# KiCad board panel.kicad_pcb (continued)
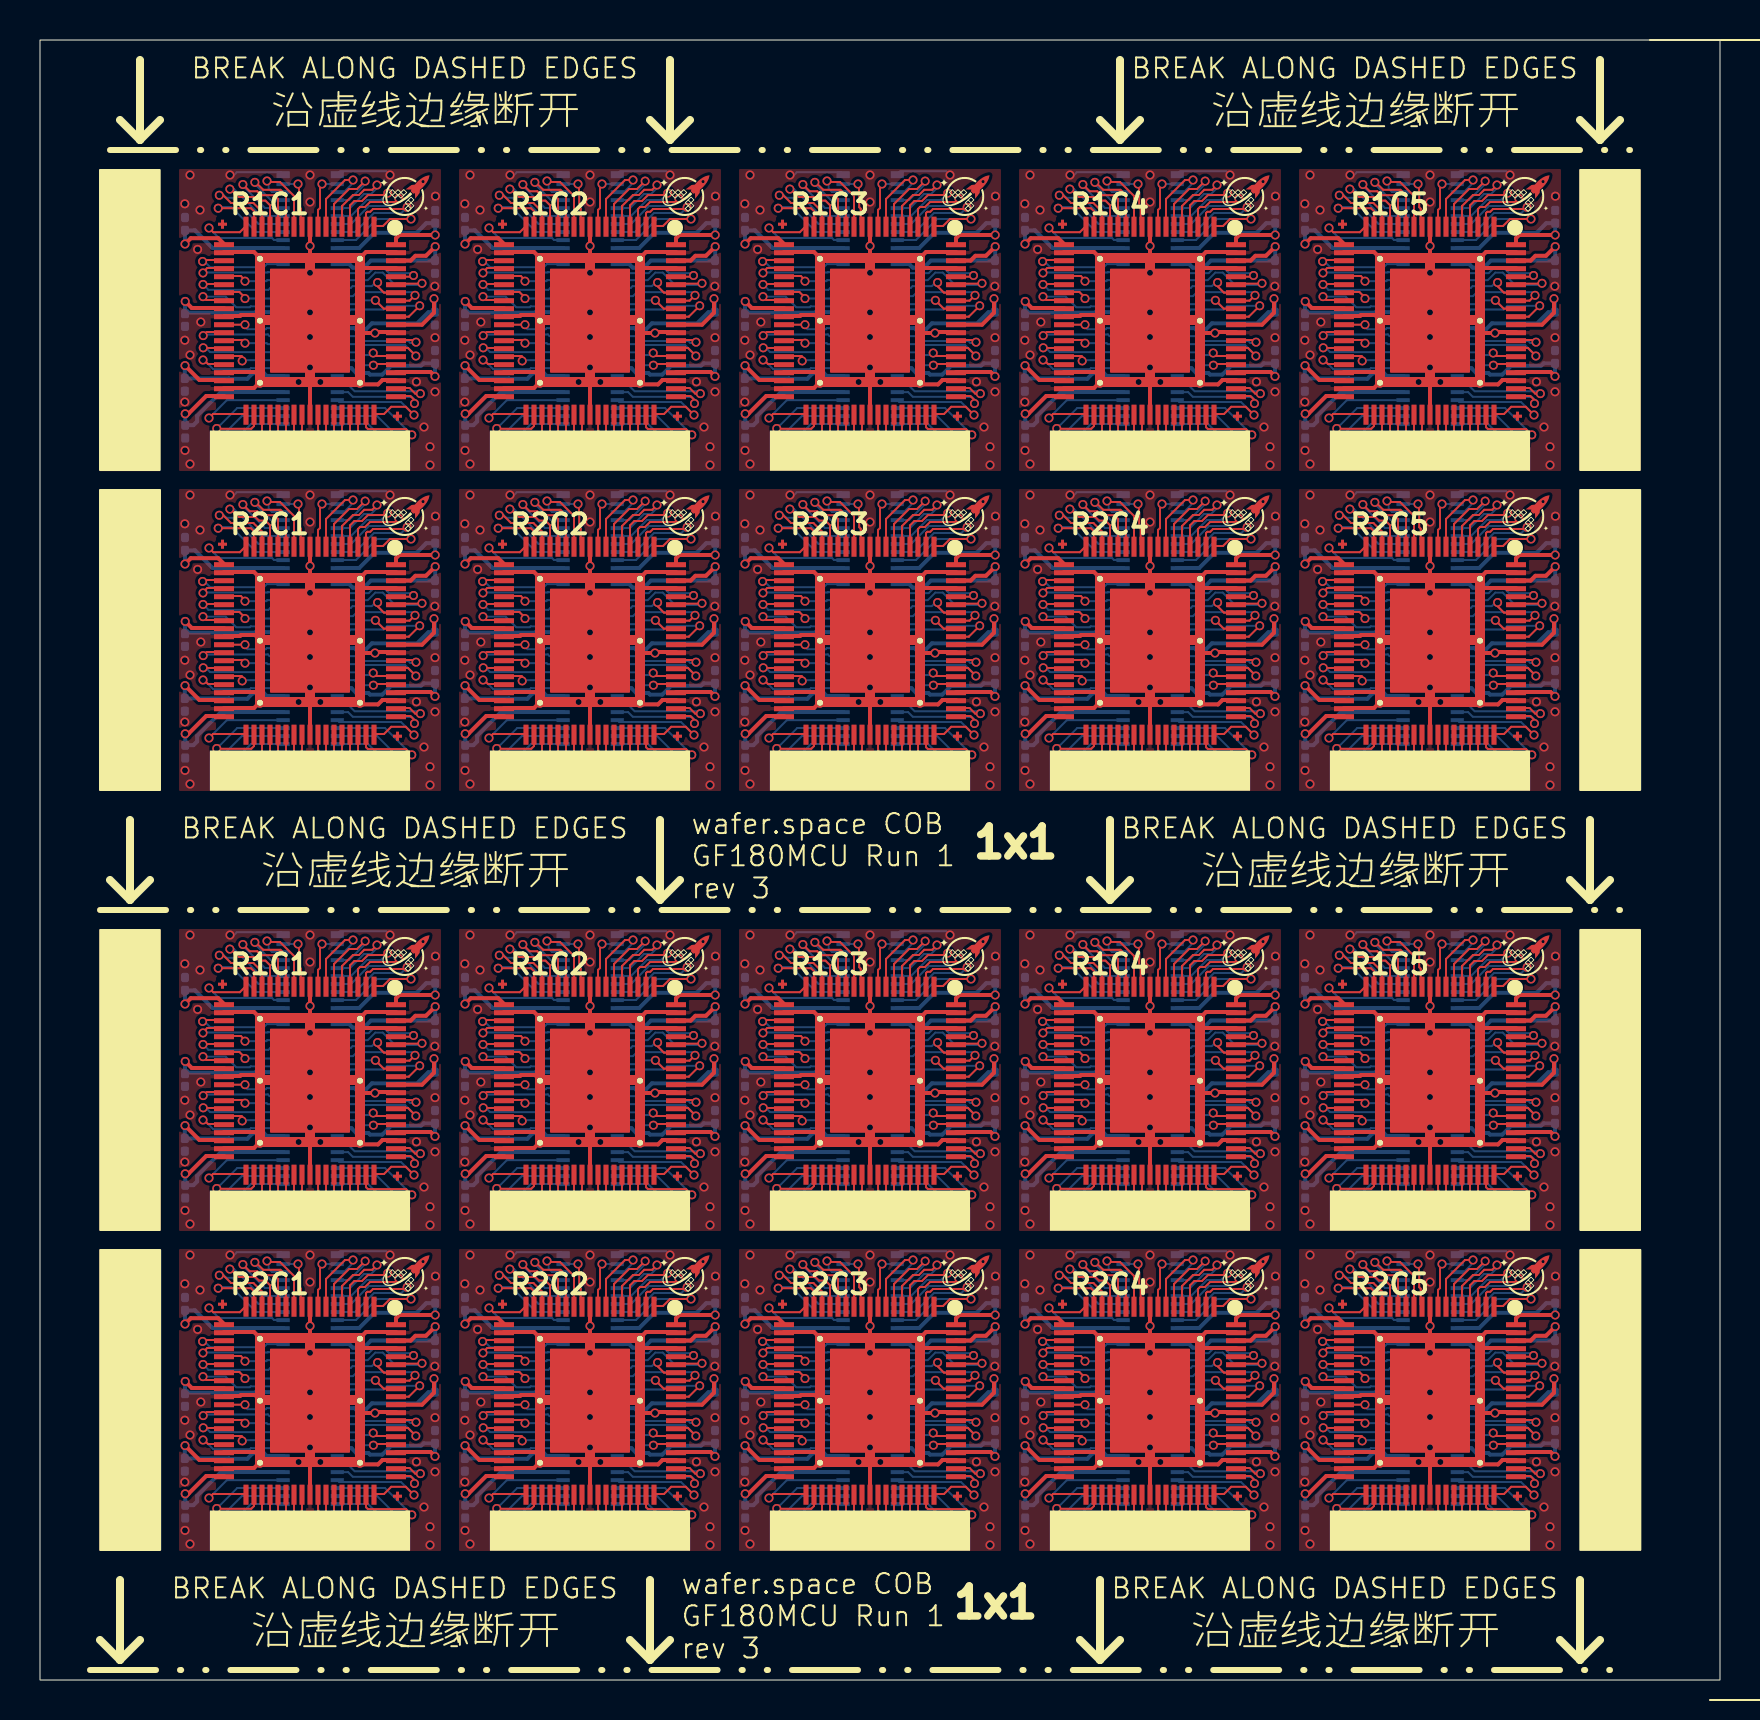
[diagram p0: board, top side]
## Routing (per net, layer and track width the routed paths; a pad name or vN(x,y) marks a point on that pad's centre or on a via; arc(x,y) is an arc through that point) (continued)
  Bottom w0.1: 70.86,35.2 71.55,35.2 72.35,36 73.05,36 v1(73.39,36.34) ; v1(59.39,58.34) 59.05,58 58.35,58 57.55,57.2 56.85,57.2 ; 28.85,57.2 29.55,57.2 30.35,58 31.05,58 v1(31.39,58.34) ; 14.85,57.2 15.55,57.2 16.35,58 17.05,58 v1(17.39,58.34) ; v1(45.39,20.34) 45.05,20 44.35,20 43.55,19.2 42.85,19.2 ; v1(31.39,36.34) 31.05,36 30.35,36 29.55,35.2 28.85,35.2 ; v1(17.39,36.34) 17.05,36 16.35,36 15.55,35.2 14.85,35.2 ; 70.86,57.2 71.55,57.2 72.35,58 73.05,58 v1(73.39,58.34) ; v1(45.39,58.34) 45.05,58 44.35,58 43.55,57.2 42.85,57.2 ; 42.85,35.2 43.55,35.2 44.35,36 45.05,36 v1(45.39,36.34) ; 14.85,73.2 15.55,73.2 16.35,74 17.05,74 v1(17.39,74.34) ; v1(59.39,74.34) 59.05,74 58.35,74 57.55,73.2 56.85,73.2 ; 42.85,73.2 43.55,73.2 44.35,74 45.05,74 v1(45.39,74.34) ; v1(73.39,74.34) 73.05,74 72.35,74 71.55,73.2 70.86,73.2 ; 70.86,19.2 71.55,19.2 72.35,20 73.05,20 v1(73.39,20.34) ; 28.85,73.2 29.55,73.2 30.35,74 31.05,74 v1(31.39,74.34) ; 28.85,19.2 29.55,19.2 30.35,20 31.05,20 v1(31.39,20.34) ; 14.85,19.2 15.55,19.2 16.35,20 17.05,20 v1(17.39,20.34) ; 56.85,35.2 57.55,35.2 58.35,36 59.05,36 v1(59.39,36.34) ; 56.85,19.2 57.55,19.2 58.35,20 59.05,20 v1(59.39,20.34)
/pad_4: length 114.9
  Top w0.1: 43.1,18.7 43.1,19.7 43.65,20.25 43.95,20.25 44.21,20.51 44.61,20.51 v1(44.85,20.75) ; 15.1,34.7 15.1,35.7 15.65,36.25 15.95,36.25 16.21,36.51 16.61,36.51 v1(16.85,36.75) ; v1(16.85,74.75) 16.61,74.51 16.21,74.51 15.95,74.25 15.65,74.25 15.1,73.7 15.1,72.7 ; v1(16.85,20.75) 16.61,20.51 16.21,20.51 15.95,20.25 15.65,20.25 15.1,19.7 15.1,18.7 ; 29.1,56.7 29.1,57.7 29.65,58.25 29.95,58.25 30.21,58.51 30.61,58.51 v1(30.85,58.75) ; v1(58.85,36.75) 58.61,36.51 58.21,36.51 57.95,36.25 57.65,36.25 57.1,35.7 57.1,34.7 ; 71.1,18.7 71.1,19.7 71.65,20.25 71.95,20.25 72.21,20.51 72.61,20.51 v1(72.85,20.75) ; 43.1,72.7 43.1,73.7 43.65,74.25 43.95,74.25 44.21,74.51 44.61,74.51 v1(44.85,74.75) ; 71.1,34.7 71.1,35.7 71.65,36.25 71.95,36.25 72.21,36.51 72.61,36.51 v1(72.85,36.75) ; v1(44.85,58.75) 44.61,58.51 44.21,58.51 43.95,58.25 43.65,58.25 43.1,57.7 43.1,56.7 ; v1(44.85,36.75) 44.61,36.51 44.21,36.51 43.95,36.25 43.65,36.25 43.1,35.7 43.1,34.7 ; 57.1,72.7 57.1,73.7 57.65,74.25 57.95,74.25 58.21,74.51 58.61,74.51 v1(58.85,74.75) ; v1(58.85,58.75) 58.61,58.51 58.21,58.51 57.95,58.25 57.65,58.25 57.1,57.7 57.1,56.7 ; v1(30.85,74.75) 30.61,74.51 30.21,74.51 29.95,74.25 29.65,74.25 29.1,73.7 29.1,72.7 ; v1(30.85,36.75) 30.61,36.51 30.21,36.51 29.95,36.25 29.65,36.25 29.1,35.7 29.1,34.7 ; 71.1,72.7 71.1,73.7 71.65,74.25 71.95,74.25 72.21,74.51 72.61,74.51 v1(72.85,74.75) ; 71.1,56.7 71.1,57.7 71.65,58.25 71.95,58.25 72.21,58.51 72.61,58.51 v1(72.85,58.75) ; 15.1,56.7 15.1,57.7 15.65,58.25 15.95,58.25 16.21,58.51 16.61,58.51 v1(16.85,58.75) ; 29.1,18.7 29.1,19.7 29.65,20.25 29.95,20.25 30.21,20.51 30.61,20.51 v1(30.85,20.75) ; 57.1,18.7 57.1,19.7 57.65,20.25 57.95,20.25 58.21,20.51 58.61,20.51 v1(58.85,20.75)
  Bottom w0.1: 14.85,19.6 15.5,19.6 16.2,20.3 16.55,20.3 16.8,20.55 16.8,20.7 v1(16.85,20.75) ; v1(30.85,36.75) 30.8,36.7 30.8,36.55 30.55,36.3 30.2,36.3 29.5,35.6 28.85,35.6 ; 14.85,73.6 15.5,73.6 16.2,74.3 16.55,74.3 16.8,74.55 16.8,74.7 v1(16.85,74.75) ; v1(44.85,36.75) 44.8,36.7 44.8,36.55 44.55,36.3 44.2,36.3 43.5,35.6 42.85,35.6 ; 70.86,19.6 71.5,19.6 72.2,20.3 72.55,20.3 72.8,20.55 72.8,20.7 v1(72.85,20.75) ; v1(16.85,36.75) 16.8,36.7 16.8,36.55 16.55,36.3 16.2,36.3 15.5,35.6 14.85,35.6 ; v1(44.85,58.75) 44.8,58.7 44.8,58.55 44.55,58.3 44.2,58.3 43.5,57.6 42.85,57.6 ; v1(58.85,36.75) 58.8,36.7 58.8,36.55 58.55,36.3 58.2,36.3 57.5,35.6 56.85,35.6 ; 28.85,57.6 29.5,57.6 30.2,58.3 30.55,58.3 30.8,58.55 30.8,58.7 v1(30.85,58.75) ; 70.86,73.6 71.5,73.6 72.2,74.3 72.55,74.3 72.8,74.55 72.8,74.7 v1(72.85,74.75) ; 42.85,19.6 43.5,19.6 44.2,20.3 44.55,20.3 44.8,20.55 44.8,20.7 v1(44.85,20.75) ; 70.86,35.6 71.5,35.6 72.2,36.3 72.55,36.3 72.8,36.55 72.8,36.7 v1(72.85,36.75) ; 42.85,73.6 43.5,73.6 44.2,74.3 44.55,74.3 44.8,74.55 44.8,74.7 v1(44.85,74.75) ; v1(16.85,58.75) 16.8,58.7 16.8,58.55 16.55,58.3 16.2,58.3 15.5,57.6 14.85,57.6 ; 56.85,57.6 57.5,57.6 58.2,58.3 58.55,58.3 58.8,58.55 58.8,58.7 v1(58.85,58.75) ; v1(30.85,20.75) 30.8,20.7 30.8,20.55 30.55,20.3 30.2,20.3 29.5,19.6 28.85,19.6 ; v1(58.85,20.75) 58.8,20.7 58.8,20.55 58.55,20.3 58.2,20.3 57.5,19.6 56.85,19.6 ; 56.85,73.6 57.5,73.6 58.2,74.3 58.55,74.3 58.8,74.55 58.8,74.7 v1(58.85,74.75) ; 28.85,73.6 29.5,73.6 30.2,74.3 30.55,74.3 30.8,74.55 30.8,74.7 v1(30.85,74.75) ; 70.86,57.6 71.5,57.6 72.2,58.3 72.55,58.3 72.8,58.55 72.8,58.7 v1(72.85,58.75)
/pad_5: length 100.2
  Top w0.1: v1(58.26,20.94) 58.24,20.94 57.85,20.55 57.45,20.55 56.7,19.8 56.7,18.7 ; 28.7,18.7 28.7,19.8 29.45,20.55 29.85,20.55 30.24,20.94 v1(30.26,20.94) ; 14.7,18.7 14.7,19.8 15.45,20.55 15.85,20.55 16.24,20.94 v1(16.26,20.94) ; 70.7,18.7 70.7,19.8 71.45,20.55 71.85,20.55 72.24,20.94 v1(72.26,20.94) ; 28.7,56.7 28.7,57.8 29.45,58.55 29.85,58.55 30.24,58.94 v1(30.26,58.94) ; v1(30.26,74.94) 30.24,74.94 29.85,74.55 29.45,74.55 28.7,73.8 28.7,72.7 ; 56.7,34.7 56.7,35.8 57.45,36.55 57.85,36.55 58.24,36.94 v1(58.26,36.94) ; v1(58.26,74.94) 58.24,74.94 57.85,74.55 57.45,74.55 56.7,73.8 56.7,72.7 ; v1(72.26,74.94) 72.24,74.94 71.85,74.55 71.45,74.55 70.7,73.8 70.7,72.7 ; v1(44.26,36.94) 44.24,36.94 43.85,36.55 43.45,36.55 42.7,35.8 42.7,34.7 ; 42.7,56.7 42.7,57.8 43.45,58.55 43.85,58.55 44.24,58.94 v1(44.26,58.94) ; v1(72.26,58.94) 72.24,58.94 71.85,58.55 71.45,58.55 70.7,57.8 70.7,56.7 ; 42.7,72.7 42.7,73.8 43.45,74.55 43.85,74.55 44.24,74.94 v1(44.26,74.94) ; 70.7,34.7 70.7,35.8 71.45,36.55 71.85,36.55 72.24,36.94 v1(72.26,36.94) ; 14.7,56.7 14.7,57.8 15.45,58.55 15.85,58.55 16.24,58.94 v1(16.26,58.94) ; 28.7,34.7 28.7,35.8 29.45,36.55 29.85,36.55 30.24,36.94 v1(30.26,36.94) ; v1(16.26,74.94) 16.24,74.94 15.85,74.55 15.45,74.55 14.7,73.8 14.7,72.7 ; 56.7,56.7 56.7,57.8 57.45,58.55 57.85,58.55 58.24,58.94 v1(58.26,58.94) ; 42.7,18.7 42.7,19.8 43.45,20.55 43.85,20.55 44.24,20.94 v1(44.26,20.94) ; 14.7,34.7 14.7,35.8 15.45,36.55 15.85,36.55 16.24,36.94 v1(16.26,36.94)
  Bottom w0.1: v1(44.26,20.94) 44.26,20.8 43.46,20 42.85,20 ; 56.85,20 57.46,20 58.26,20.8 v1(58.26,20.94) ; v1(44.26,74.94) 44.26,74.8 43.46,74 42.85,74 ; 42.85,58 43.46,58 44.26,58.8 v1(44.26,58.94) ; 56.85,74 57.46,74 58.26,74.8 v1(58.26,74.94) ; v1(30.26,36.94) 30.26,36.8 29.46,36 28.85,36 ; v1(58.26,36.94) 58.26,36.8 57.46,36 56.85,36 ; v1(16.26,74.94) 16.26,74.8 15.46,74 14.85,74 ; 14.85,58 15.46,58 16.26,58.8 v1(16.26,58.94) ; v1(72.26,36.94) 72.26,36.8 71.46,36 70.86,36 ; 70.86,74 71.46,74 72.26,74.8 v1(72.26,74.94) ; v1(44.26,36.94) 44.26,36.8 43.46,36 42.85,36 ; 28.85,74 29.46,74 30.26,74.8 v1(30.26,74.94) ; 56.85,58 57.46,58 58.26,58.8 v1(58.26,58.94) ; 14.85,36 15.46,36 16.26,36.8 v1(16.26,36.94) ; v1(72.26,58.94) 72.26,58.8 71.46,58 70.86,58 ; v1(72.26,20.94) 72.26,20.8 71.46,20 70.86,20 ; 14.85,20 15.46,20 16.26,20.8 v1(16.26,20.94) ; v1(30.26,58.94) 30.26,58.8 29.46,58 28.85,58 ; v1(30.26,20.94) 30.26,20.8 29.46,20 28.85,20
/pad_6: length 84.5
  Top w0.1: 70.3,56.7 70.3,58.05 71.25,59 v1(71.65,59) ; v1(57.65,37) 57.25,37 56.3,36.05 56.3,34.7 ; v1(71.65,37) 71.25,37 70.3,36.05 70.3,34.7 ; v1(57.65,21) 57.25,21 56.3,20.05 56.3,18.7 ; 28.3,72.7 28.3,74.05 29.25,75 v1(29.65,75) ; 14.3,72.7 14.3,74.05 15.25,75 v1(15.65,75) ; 42.3,56.7 42.3,58.05 43.25,59 v1(43.65,59) ; v1(43.65,21) 43.25,21 42.3,20.05 42.3,18.7 ; 42.3,72.7 42.3,74.05 43.25,75 v1(43.65,75) ; v1(15.65,21) 15.25,21 14.3,20.05 14.3,18.7 ; v1(29.65,37) 29.25,37 28.3,36.05 28.3,34.7 ; 14.3,56.7 14.3,58.05 15.25,59 v1(15.65,59) ; 70.3,18.7 70.3,20.05 71.25,21 v1(71.65,21) ; 56.3,72.7 56.3,74.05 57.25,75 v1(57.65,75) ; 70.3,72.7 70.3,74.05 71.25,75 v1(71.65,75) ; 28.3,56.7 28.3,58.05 29.25,59 v1(29.65,59) ; 56.3,56.7 56.3,58.05 57.25,59 v1(57.65,59) ; 28.3,18.7 28.3,20.05 29.25,21 v1(29.65,21) ; v1(43.65,37) 43.25,37 42.3,36.05 42.3,34.7 ; 14.3,34.7 14.3,36.05 15.25,37 v1(15.65,37)
  Bottom w0.1: 42.85,74.4 43.2,74.4 43.65,74.85 v1(43.65,75) ; v1(57.65,75) 57.65,74.85 57.2,74.4 56.85,74.4 ; 56.85,36.4 57.2,36.4 57.65,36.85 v1(57.65,37) ; v1(57.65,21) 57.65,20.85 57.2,20.4 56.85,20.4 ; 42.85,20.4 43.2,20.4 43.65,20.85 v1(43.65,21) ; v1(29.65,59) 29.65,58.85 29.2,58.4 28.85,58.4 ; 14.85,20.4 15.2,20.4 15.65,20.85 v1(15.65,21) ; v1(71.65,21) 71.65,20.85 71.2,20.4 70.86,20.4 ; v1(29.65,37) 29.65,36.85 29.2,36.4 28.85,36.4 ; 14.85,58.4 15.2,58.4 15.65,58.85 v1(15.65,59) ; 14.85,74.4 15.2,74.4 15.65,74.85 v1(15.65,75) ; 56.85,58.4 57.2,58.4 57.65,58.85 v1(57.65,59) ; 70.86,74.4 71.2,74.4 71.65,74.85 v1(71.65,75) ; v1(29.65,21) 29.65,20.85 29.2,20.4 28.85,20.4 ; v1(43.65,59) 43.65,58.85 43.2,58.4 42.85,58.4 ; v1(71.65,37) 71.65,36.85 71.2,36.4 70.86,36.4 ; v1(71.65,59) 71.65,58.85 71.2,58.4 70.86,58.4 ; 14.85,36.4 15.2,36.4 15.65,36.85 v1(15.65,37) ; 42.85,36.4 43.2,36.4 43.65,36.85 v1(43.65,37) ; 28.85,74.4 29.2,74.4 29.65,74.85 v1(29.65,75)
/pad_7: length 58.8
  Top w0.1: 13.9,18.7 13.9,19.5 14,19.6 14,20.7 v1(14.1,20.8) ; 41.9,56.7 41.9,57.5 42,57.6 42,58.7 v1(42.1,58.8) ; 27.9,72.7 27.9,73.5 28,73.6 28,74.7 v1(28.1,74.8) ; v1(14.1,36.8) 14,36.7 14,35.6 13.9,35.5 13.9,34.7 ; v1(14.1,74.8) 14,74.7 14,73.6 13.9,73.5 13.9,72.7 ; v1(56.1,74.8) 56,74.7 56,73.6 55.9,73.5 55.9,72.7 ; 69.9,18.7 69.9,19.5 70,19.6 70,20.7 v1(70.1,20.8) ; v1(28.1,36.8) 28,36.7 28,35.6 27.9,35.5 27.9,34.7 ; 27.9,56.7 27.9,57.5 28,57.6 28,58.7 v1(28.1,58.8) ; 41.9,18.7 41.9,19.5 42,19.6 42,20.7 v1(42.1,20.8) ; v1(28.1,20.8) 28,20.7 28,19.6 27.9,19.5 27.9,18.7 ; v1(42.1,74.8) 42,74.7 42,73.6 41.9,73.5 41.9,72.7 ; v1(70.1,74.8) 70,74.7 70,73.6 69.9,73.5 69.9,72.7 ; 69.9,56.7 69.9,57.5 70,57.6 70,58.7 v1(70.1,58.8) ; v1(14.1,58.8) 14,58.7 14,57.6 13.9,57.5 13.9,56.7 ; 41.9,34.7 41.9,35.5 42,35.6 42,36.7 v1(42.1,36.8) ; 55.9,34.7 55.9,35.5 56,35.6 56,36.7 v1(56.1,36.8) ; 55.9,18.7 55.9,19.5 56,19.6 56,20.7 v1(56.1,20.8) ; v1(56.1,58.8) 56,58.7 56,57.6 55.9,57.5 55.9,56.7 ; v1(70.1,36.8) 70,36.7 70,35.6 69.9,35.5 69.9,34.7
  Bottom w0.1: v1(70.1,58.8) 70.86,58.8 ; v1(70.1,20.8) 70.86,20.8 ; v1(42.1,36.8) 42.85,36.8 ; v1(14.1,58.8) 14.85,58.8 ; v1(42.1,74.8) 42.85,74.8 ; v1(70.1,36.8) 70.86,36.8 ; v1(28.1,58.8) 28.85,58.8 ; v1(56.1,74.8) 56.85,74.8 ; v1(14.1,74.8) 14.85,74.8 ; v1(14.1,36.8) 14.85,36.8 ; v1(56.1,20.8) 56.85,20.8 ; v1(14.1,20.8) 14.85,20.8 ; v1(42.1,20.8) 42.85,20.8 ; v1(28.1,20.8) 28.85,20.8 ; v1(70.1,74.8) 70.86,74.8 ; v1(56.1,36.8) 56.85,36.8 ; v1(28.1,36.8) 28.85,36.8 ; v1(42.1,58.8) 42.85,58.8 ; v1(28.1,74.8) 28.85,74.8 ; v1(56.1,58.8) 56.85,58.8
/pad_9: length 58.8
  Top w0.1: v1(54.9,36.8) 54.9,36.7 54.95,36.65 54.95,36.32 54.96,36.31 54.96,35.64 55.04,35.56 55.04,34.76 55.1,34.7 ; 41.1,72.7 41.04,72.76 41.04,73.56 40.96,73.64 40.96,74.31 40.95,74.32 40.95,74.65 40.9,74.7 v1(40.9,74.8) ; v1(12.9,58.8) 12.9,58.7 12.95,58.65 12.95,58.32 12.96,58.31 12.96,57.64 13.04,57.56 13.04,56.76 13.1,56.7 ; 69.1,34.7 69.04,34.76 69.04,35.56 68.96,35.64 68.96,36.31 68.95,36.32 68.95,36.65 68.9,36.7 v1(68.9,36.8) ; v1(26.9,58.8) 26.9,58.7 26.95,58.65 26.95,58.32 26.96,58.31 26.96,57.64 27.04,57.56 27.04,56.76 27.1,56.7 ; 13.1,18.7 13.04,18.76 13.04,19.56 12.96,19.64 12.96,20.31 12.95,20.32 12.95,20.65 12.9,20.7 v1(12.9,20.8) ; 13.1,72.7 13.04,72.76 13.04,73.56 12.96,73.64 12.96,74.31 12.95,74.32 12.95,74.65 12.9,74.7 v1(12.9,74.8) ; 69.1,18.7 69.04,18.76 69.04,19.56 68.96,19.64 68.96,20.31 68.95,20.32 68.95,20.65 68.9,20.7 v1(68.9,20.8) ; v1(54.9,58.8) 54.9,58.7 54.95,58.65 54.95,58.32 54.96,58.31 54.96,57.64 55.04,57.56 55.04,56.76 55.1,56.7 ; v1(26.9,36.8) 26.9,36.7 26.95,36.65 26.95,36.32 26.96,36.31 26.96,35.64 27.04,35.56 27.04,34.76 27.1,34.7 ; v1(54.9,20.8) 54.9,20.7 54.95,20.65 54.95,20.32 54.96,20.31 54.96,19.64 55.04,19.56 55.04,18.76 55.1,18.7 ; 27.1,72.7 27.04,72.76 27.04,73.56 26.96,73.64 26.96,74.31 26.95,74.32 26.95,74.65 26.9,74.7 v1(26.9,74.8) ; v1(12.9,36.8) 12.9,36.7 12.95,36.65 12.95,36.32 12.96,36.31 12.96,35.64 13.04,35.56 13.04,34.76 13.1,34.7 ; 27.1,18.7 27.04,18.76 27.04,19.56 26.96,19.64 26.96,20.31 26.95,20.32 26.95,20.65 26.9,20.7 v1(26.9,20.8) ; v1(40.9,58.8) 40.9,58.7 40.95,58.65 40.95,58.32 40.96,58.31 40.96,57.64 41.04,57.56 41.04,56.76 41.1,56.7 ; 69.1,72.7 69.04,72.76 69.04,73.56 68.96,73.64 68.96,74.31 68.95,74.32 68.95,74.65 68.9,74.7 v1(68.9,74.8) ; v1(68.9,58.8) 68.9,58.7 68.95,58.65 68.95,58.32 68.96,58.31 68.96,57.64 69.04,57.56 69.04,56.76 69.1,56.7 ; v1(40.9,36.8) 40.9,36.7 40.95,36.65 40.95,36.32 40.96,36.31 40.96,35.64 41.04,35.56 41.04,34.76 41.1,34.7 ; 41.1,18.7 41.04,18.76 41.04,19.56 40.96,19.64 40.96,20.31 40.95,20.32 40.95,20.65 40.9,20.7 v1(40.9,20.8) ; v1(54.9,74.8) 54.9,74.7 54.95,74.65 54.95,74.32 54.96,74.31 54.96,73.64 55.04,73.56 55.04,72.76 55.1,72.7
  Bottom w0.1: v1(40.9,74.8) 40.15,74.8 ; v1(54.9,20.8) 54.15,20.8 ; v1(40.9,58.8) 40.15,58.8 ; v1(68.9,58.8) 68.15,58.8 ; v1(40.9,36.8) 40.15,36.8 ; v1(26.9,58.8) 26.15,58.8 ; v1(68.9,36.8) 68.15,36.8 ; v1(54.9,74.8) 54.15,74.8 ; v1(12.9,74.8) 12.15,74.8 ; v1(54.9,36.8) 54.15,36.8 ; v1(40.9,20.8) 40.15,20.8 ; v1(26.9,74.8) 26.15,74.8 ; v1(12.9,36.8) 12.15,36.8 ; v1(68.9,74.8) 68.15,74.8 ; v1(68.9,20.8) 68.15,20.8 ; v1(54.9,58.8) 54.15,58.8 ; v1(26.9,20.8) 26.15,20.8 ; v1(12.9,58.8) 12.15,58.8 ; v1(12.9,20.8) 12.15,20.8 ; v1(26.9,36.8) 26.15,36.8
/pad_10: length 87.7
  Top w0.1: 68.7,18.7 68.7,20.2 68,20.9 67.4,20.9 v1(67.35,20.95) ; 12.7,18.7 12.7,20.2 12,20.9 11.4,20.9 v1(11.35,20.95) ; v1(67.35,58.95) 67.4,58.9 68,58.9 68.7,58.2 68.7,56.7 ; 68.7,72.7 68.7,74.2 68,74.9 67.4,74.9 v1(67.35,74.95) ; v1(11.35,36.95) 11.4,36.9 12,36.9 12.7,36.2 12.7,34.7 ; v1(53.35,58.95) 53.4,58.9 54,58.9 54.7,58.2 54.7,56.7 ; 12.7,72.7 12.7,74.2 12,74.9 11.4,74.9 v1(11.35,74.95) ; v1(39.35,36.95) 39.4,36.9 40,36.9 40.7,36.2 40.7,34.7 ; 26.7,34.7 26.7,36.2 26,36.9 25.4,36.9 v1(25.35,36.95) ; 26.7,18.7 26.7,20.2 26,20.9 25.4,20.9 v1(25.35,20.95) ; 26.7,72.7 26.7,74.2 26,74.9 25.4,74.9 v1(25.35,74.95) ; 40.7,18.7 40.7,20.2 40,20.9 39.4,20.9 v1(39.35,20.95) ; 54.7,18.7 54.7,20.2 54,20.9 53.4,20.9 v1(53.35,20.95) ; 54.7,72.7 54.7,74.2 54,74.9 53.4,74.9 v1(53.35,74.95) ; 40.7,72.7 40.7,74.2 40,74.9 39.4,74.9 v1(39.35,74.95) ; v1(25.35,58.95) 25.4,58.9 26,58.9 26.7,58.2 26.7,56.7 ; 12.7,56.7 12.7,58.2 12,58.9 11.4,58.9 v1(11.35,58.95) ; v1(39.35,58.95) 39.4,58.9 40,58.9 40.7,58.2 40.7,56.7 ; 68.7,34.7 68.7,36.2 68,36.9 67.4,36.9 v1(67.35,36.95) ; 54.7,34.7 54.7,36.2 54,36.9 53.4,36.9 v1(53.35,36.95)
  Bottom w0.1: v1(11.35,74.95) 11.4,74.95 11.43,74.92 11.43,74.57 11.6,74.4 12.15,74.4 ; v1(39.35,20.95) 39.4,20.95 39.43,20.92 39.43,20.57 39.6,20.4 40.15,20.4 ; v1(11.35,36.95) 11.4,36.95 11.43,36.92 11.43,36.57 11.6,36.4 12.15,36.4 ; 26.15,36.4 25.6,36.4 25.43,36.57 25.43,36.92 25.4,36.95 v1(25.35,36.95) ; 68.15,20.4 67.6,20.4 67.43,20.57 67.43,20.92 67.4,20.95 v1(67.35,20.95) ; v1(11.35,58.95) 11.4,58.95 11.43,58.92 11.43,58.57 11.6,58.4 12.15,58.4 ; v1(25.35,20.95) 25.4,20.95 25.43,20.92 25.43,20.57 25.6,20.4 26.15,20.4 ; 40.15,36.4 39.6,36.4 39.43,36.57 39.43,36.92 39.4,36.95 v1(39.35,36.95) ; v1(53.35,20.95) 53.4,20.95 53.43,20.92 53.43,20.57 53.6,20.4 54.15,20.4 ; v1(11.35,20.95) 11.4,20.95 11.43,20.92 11.43,20.57 11.6,20.4 12.15,20.4 ; v1(39.35,58.95) 39.4,58.95 39.43,58.92 39.43,58.57 39.6,58.4 40.15,58.4 ; v1(25.35,74.95) 25.4,74.95 25.43,74.92 25.43,74.57 25.6,74.4 26.15,74.4 ; 54.15,74.4 53.6,74.4 53.43,74.57 53.43,74.92 53.4,74.95 v1(53.35,74.95) ; 54.15,36.4 53.6,36.4 53.43,36.57 53.43,36.92 53.4,36.95 v1(53.35,36.95) ; v1(67.35,74.95) 67.4,74.95 67.43,74.92 67.43,74.57 67.6,74.4 68.15,74.4 ; v1(39.35,74.95) 39.4,74.95 39.43,74.92 39.43,74.57 39.6,74.4 40.15,74.4 ; v1(53.35,58.95) 53.4,58.95 53.43,58.92 53.43,58.57 53.6,58.4 54.15,58.4 ; v1(67.35,36.95) 67.4,36.95 67.43,36.92 67.43,36.57 67.6,36.4 68.15,36.4 ; 26.15,58.4 25.6,58.4 25.43,58.57 25.43,58.92 25.4,58.95 v1(25.35,58.95) ; 68.15,58.4 67.6,58.4 67.43,58.57 67.43,58.92 67.4,58.95 v1(67.35,58.95)
/pad_11: length 105.4
  Top w0.1: 12.3,34.7 12.3,36.23 12.02,36.51 11.16,36.51 10.84,36.83 10.7,36.83 v1(10.74,36.88) ; 68.3,56.7 68.3,58.23 68.02,58.51 67.16,58.51 66.84,58.83 66.7,58.83 v1(66.74,58.88) ; 54.3,56.7 54.3,58.23 54.02,58.51 53.16,58.51 52.84,58.83 52.7,58.83 v1(52.74,58.88) ; 12.3,56.7 12.3,58.23 12.02,58.51 11.16,58.51 10.84,58.83 10.7,58.83 v1(10.74,58.88) ; 26.3,18.7 26.3,20.23 26.02,20.51 25.16,20.51 24.84,20.83 24.7,20.83 v1(24.74,20.88) ; 26.3,56.7 26.3,58.23 26.02,58.51 25.16,58.51 24.84,58.83 24.7,58.83 v1(24.74,58.88) ; v1(24.74,36.88) 24.7,36.83 24.84,36.83 25.16,36.51 26.02,36.51 26.3,36.23 26.3,34.7 ; v1(24.74,74.88) 24.7,74.83 24.84,74.83 25.16,74.51 26.02,74.51 26.3,74.23 26.3,72.7 ; v1(10.74,74.88) 10.7,74.83 10.84,74.83 11.16,74.51 12.02,74.51 12.3,74.23 12.3,72.7 ; 40.3,34.7 40.3,36.23 40.02,36.51 39.16,36.51 38.84,36.83 38.7,36.83 v1(38.74,36.88) ; 68.3,18.7 68.3,20.23 68.02,20.51 67.16,20.51 66.84,20.83 66.7,20.83 v1(66.74,20.88) ; 68.3,72.7 68.3,74.23 68.02,74.51 67.16,74.51 66.84,74.83 66.7,74.83 v1(66.74,74.88) ; 12.3,18.7 12.3,20.23 12.02,20.51 11.16,20.51 10.84,20.83 10.7,20.83 v1(10.74,20.88) ; 54.3,18.7 54.3,20.23 54.02,20.51 53.16,20.51 52.84,20.83 52.7,20.83 v1(52.74,20.88) ; 54.3,34.7 54.3,36.23 54.02,36.51 53.16,36.51 52.84,36.83 52.7,36.83 v1(52.74,36.88) ; v1(38.74,20.88) 38.7,20.83 38.84,20.83 39.16,20.51 40.02,20.51 40.3,20.23 40.3,18.7 ; v1(38.74,74.88) 38.7,74.83 38.84,74.83 39.16,74.51 40.02,74.51 40.3,74.23 40.3,72.7 ; 54.3,72.7 54.3,74.23 54.02,74.51 53.16,74.51 52.84,74.83 52.7,74.83 v1(52.74,74.88) ; v1(66.74,36.88) 66.7,36.83 66.84,36.83 67.16,36.51 68.02,36.51 68.3,36.23 68.3,34.7 ; 40.3,56.7 40.3,58.23 40.02,58.51 39.16,58.51 38.84,58.83 38.7,58.83 v1(38.74,58.88)
  Bottom w0.1: 12.15,20 11.54,20 10.74,20.8 v1(10.74,20.88) ; 68.15,74 67.54,74 66.74,74.8 v1(66.74,74.88) ; v1(66.74,58.88) 66.74,58.8 67.54,58 68.15,58 ; v1(52.74,20.88) 52.74,20.8 53.54,20 54.15,20 ; v1(38.74,20.88) 38.74,20.8 39.54,20 40.15,20 ; v1(24.74,74.88) 24.74,74.8 25.54,74 26.15,74 ; 12.15,74 11.54,74 10.74,74.8 v1(10.74,74.88) ; v1(66.74,36.88) 66.74,36.8 67.54,36 68.15,36 ; v1(38.74,36.88) 38.74,36.8 39.54,36 40.15,36 ; v1(38.74,74.88) 38.74,74.8 39.54,74 40.15,74 ; v1(24.74,58.88) 24.74,58.8 25.54,58 26.15,58 ; 54.15,36 53.54,36 52.74,36.8 v1(52.74,36.88) ; 12.15,36 11.54,36 10.74,36.8 v1(10.74,36.88) ; 26.15,36 25.54,36 24.74,36.8 v1(24.74,36.88) ; 12.15,58 11.54,58 10.74,58.8 v1(10.74,58.88) ; v1(24.74,20.88) 24.74,20.8 25.54,20 26.15,20 ; v1(52.74,58.88) 52.74,58.8 53.54,58 54.15,58 ; v1(38.74,58.88) 38.74,58.8 39.54,58 40.15,58 ; v1(66.74,20.88) 66.74,20.8 67.54,20 68.15,20 ; v1(52.74,74.88) 52.74,74.8 53.54,74 54.15,74
/pad_12: length 118.7
  Top w0.1: v1(52.14,58.78) 52.48,58.44 52.86,58.44 53.05,58.25 53.06,58.25 53.07,58.24 53.71,58.24 53.9,58.05 53.9,56.7 ; v1(52.14,36.78) 52.48,36.44 52.86,36.44 53.05,36.25 53.06,36.25 53.07,36.24 53.71,36.24 53.9,36.05 53.9,34.7 ; 39.9,56.7 39.9,58.05 39.71,58.24 39.07,58.24 39.06,58.25 39.05,58.25 38.86,58.44 38.48,58.44 v1(38.14,58.78) ; 25.9,56.7 25.9,58.05 25.71,58.24 25.07,58.24 25.06,58.25 25.05,58.25 24.86,58.44 24.48,58.44 v1(24.14,58.78) ; 39.9,18.7 39.9,20.05 39.71,20.24 39.07,20.24 39.06,20.25 39.05,20.25 38.86,20.44 38.48,20.44 v1(38.14,20.78) ; 25.9,18.7 25.9,20.05 25.71,20.24 25.07,20.24 25.06,20.25 25.05,20.25 24.86,20.44 24.48,20.44 v1(24.14,20.78) ; 53.9,18.7 53.9,20.05 53.71,20.24 53.07,20.24 53.06,20.25 53.05,20.25 52.86,20.44 52.48,20.44 v1(52.14,20.78) ; v1(10.14,58.78) 10.48,58.44 10.86,58.44 11.05,58.25 11.06,58.25 11.07,58.24 11.71,58.24 11.9,58.05 11.9,56.7 ; v1(10.14,36.78) 10.48,36.44 10.86,36.44 11.05,36.25 11.06,36.25 11.07,36.24 11.71,36.24 11.9,36.05 11.9,34.7 ; v1(66.14,74.78) 66.48,74.44 66.86,74.44 67.05,74.25 67.06,74.25 67.07,74.24 67.71,74.24 67.9,74.05 67.9,72.7 ; v1(66.14,58.78) 66.48,58.44 66.86,58.44 67.05,58.25 67.06,58.25 67.07,58.24 67.71,58.24 67.9,58.05 67.9,56.7 ; v1(10.14,74.78) 10.48,74.44 10.86,74.44 11.05,74.25 11.06,74.25 11.07,74.24 11.71,74.24 11.9,74.05 11.9,72.7 ; v1(38.14,36.78) 38.48,36.44 38.86,36.44 39.05,36.25 39.06,36.25 39.07,36.24 39.71,36.24 39.9,36.05 39.9,34.7 ; v1(66.14,20.78) 66.48,20.44 66.86,20.44 67.05,20.25 67.06,20.25 67.07,20.24 67.71,20.24 67.9,20.05 67.9,18.7 ; 53.9,72.7 53.9,74.05 53.71,74.24 53.07,74.24 53.06,74.25 53.05,74.25 52.86,74.44 52.48,74.44 v1(52.14,74.78) ; v1(24.14,74.78) 24.48,74.44 24.86,74.44 25.05,74.25 25.06,74.25 25.07,74.24 25.71,74.24 25.9,74.05 25.9,72.7 ; v1(38.14,74.78) 38.48,74.44 38.86,74.44 39.05,74.25 39.06,74.25 39.07,74.24 39.71,74.24 39.9,74.05 39.9,72.7 ; v1(10.14,20.78) 10.48,20.44 10.86,20.44 11.05,20.25 11.06,20.25 11.07,20.24 11.71,20.24 11.9,20.05 11.9,18.7 ; 25.9,34.7 25.9,36.05 25.71,36.24 25.07,36.24 25.06,36.25 25.05,36.25 24.86,36.44 24.48,36.44 v1(24.14,36.78) ; v1(66.14,36.78) 66.48,36.44 66.86,36.44 67.05,36.25 67.06,36.25 67.07,36.24 67.71,36.24 67.9,36.05 67.9,34.7
  Bottom w0.1: v1(66.14,36.78) 66.14,36.71 67.25,35.6 68.15,35.6 ; 26.15,73.6 25.25,73.6 24.14,74.71 v1(24.14,74.78) ; v1(24.14,58.78) 24.14,58.71 25.25,57.6 26.15,57.6 ; v1(10.14,58.78) 10.14,58.71 11.25,57.6 12.15,57.6 ; 54.15,57.6 53.25,57.6 52.14,58.71 v1(52.14,58.78) ; 68.15,73.6 67.25,73.6 66.14,74.71 v1(66.14,74.78) ; 26.15,35.6 25.25,35.6 24.14,36.71 v1(24.14,36.78) ; 68.15,57.6 67.25,57.6 66.14,58.71 v1(66.14,58.78) ; 68.15,19.6 67.25,19.6 66.14,20.71 v1(66.14,20.78) ; 40.15,57.6 39.25,57.6 38.14,58.71 v1(38.14,58.78) ; 40.15,35.6 39.25,35.6 38.14,36.71 v1(38.14,36.78) ; v1(38.14,74.78) 38.14,74.71 39.25,73.6 40.15,73.6 ; 54.15,19.6 53.25,19.6 52.14,20.71 v1(52.14,20.78) ; 54.15,35.6 53.25,35.6 52.14,36.71 v1(52.14,36.78) ; 54.15,73.6 53.25,73.6 52.14,74.71 v1(52.14,74.78) ; 26.15,19.6 25.25,19.6 24.14,20.71 v1(24.14,20.78) ; 12.15,19.6 11.25,19.6 10.14,20.71 v1(10.14,20.78) ; v1(38.14,20.78) 38.14,20.71 39.25,19.6 40.15,19.6 ; 12.15,73.6 11.25,73.6 10.14,74.71 v1(10.14,74.78) ; v1(10.14,36.78) 10.14,36.71 11.25,35.6 12.15,35.6
/pad_13: length 131.8
  Top w0.1: v1(65.49,58.54) 65.56,58.54 65.95,58.15 66.77,58.15 66.95,57.97 67.27,57.97 67.5,57.74 67.5,56.7 ; v1(9.49,58.54) 9.56,58.54 9.95,58.15 10.77,58.15 10.95,57.97 11.27,57.97 11.5,57.74 11.5,56.7 ; 53.5,34.7 53.5,35.74 53.27,35.97 52.95,35.97 52.77,36.15 51.95,36.15 51.56,36.54 v1(51.49,36.54) ; 39.5,56.7 39.5,57.74 39.27,57.97 38.95,57.97 38.77,58.15 37.95,58.15 37.56,58.54 v1(37.49,58.54) ; v1(9.49,36.54) 9.56,36.54 9.95,36.15 10.77,36.15 10.95,35.97 11.27,35.97 11.5,35.74 11.5,34.7 ; 25.5,18.7 25.5,19.74 25.27,19.97 24.95,19.97 24.77,20.15 23.95,20.15 23.56,20.54 v1(23.49,20.54) ; 39.5,72.7 39.5,73.74 39.27,73.97 38.95,73.97 38.77,74.15 37.95,74.15 37.56,74.54 v1(37.49,74.54) ; 39.5,18.7 39.5,19.74 39.27,19.97 38.95,19.97 38.77,20.15 37.95,20.15 37.56,20.54 v1(37.49,20.54) ; v1(23.49,58.54) 23.56,58.54 23.95,58.15 24.77,58.15 24.95,57.97 25.27,57.97 25.5,57.74 25.5,56.7 ; v1(65.49,36.54) 65.56,36.54 65.95,36.15 66.77,36.15 66.95,35.97 67.27,35.97 67.5,35.74 67.5,34.7 ; 39.5,34.7 39.5,35.74 39.27,35.97 38.95,35.97 38.77,36.15 37.95,36.15 37.56,36.54 v1(37.49,36.54) ; v1(51.49,20.54) 51.56,20.54 51.95,20.15 52.77,20.15 52.95,19.97 53.27,19.97 53.5,19.74 53.5,18.7 ; 25.5,34.7 25.5,35.74 25.27,35.97 24.95,35.97 24.77,36.15 23.95,36.15 23.56,36.54 v1(23.49,36.54) ; 11.5,18.7 11.5,19.74 11.27,19.97 10.95,19.97 10.77,20.15 9.95,20.15 9.56,20.54 v1(9.49,20.54) ; 53.5,56.7 53.5,57.74 53.27,57.97 52.95,57.97 52.77,58.15 51.95,58.15 51.56,58.54 v1(51.49,58.54) ; 53.5,72.7 53.5,73.74 53.27,73.97 52.95,73.97 52.77,74.15 51.95,74.15 51.56,74.54 v1(51.49,74.54) ; 67.5,72.7 67.5,73.74 67.27,73.97 66.95,73.97 66.77,74.15 65.95,74.15 65.56,74.54 v1(65.49,74.54) ; v1(65.49,20.54) 65.56,20.54 65.95,20.15 66.77,20.15 66.95,19.97 67.27,19.97 67.5,19.74 67.5,18.7 ; v1(9.49,74.54) 9.56,74.54 9.95,74.15 10.77,74.15 10.95,73.97 11.27,73.97 11.5,73.74 11.5,72.7 ; v1(23.49,74.54) 23.56,74.54 23.95,74.15 24.77,74.15 24.95,73.97 25.27,73.97 25.5,73.74 25.5,72.7
  Bottom w0.1: 12.15,57.2 11.05,57.2 9.71,58.54 v1(9.49,58.54) ; 12.15,19.2 11.05,19.2 9.71,20.54 v1(9.49,20.54) ; v1(51.49,36.54) 51.71,36.54 53.05,35.2 54.15,35.2 ; 26.15,19.2 25.05,19.2 23.71,20.54 v1(23.49,20.54) ; v1(23.49,74.54) 23.71,74.54 25.05,73.2 26.15,73.2 ; 40.15,73.2 39.05,73.2 37.71,74.54 v1(37.49,74.54) ; 68.15,57.2 67.05,57.2 65.71,58.54 v1(65.49,58.54) ; v1(51.49,74.54) 51.71,74.54 53.05,73.2 54.15,73.2 ; v1(23.49,36.54) 23.71,36.54 25.05,35.2 26.15,35.2 ; 68.15,19.2 67.05,19.2 65.71,20.54 v1(65.49,20.54) ; v1(37.49,36.54) 37.71,36.54 39.05,35.2 40.15,35.2 ; v1(23.49,58.54) 23.71,58.54 25.05,57.2 26.15,57.2 ; 12.15,73.2 11.05,73.2 9.71,74.54 v1(9.49,74.54) ; 40.15,57.2 39.05,57.2 37.71,58.54 v1(37.49,58.54) ; v1(65.49,74.54) 65.71,74.54 67.05,73.2 68.15,73.2 ; v1(51.49,58.54) 51.71,58.54 53.05,57.2 54.15,57.2 ; 12.15,35.2 11.05,35.2 9.71,36.54 v1(9.49,36.54) ; 40.15,19.2 39.05,19.2 37.71,20.54 v1(37.49,20.54) ; v1(65.49,36.54) 65.71,36.54 67.05,35.2 68.15,35.2 ; v1(51.49,20.54) 51.71,20.54 53.05,19.2 54.15,19.2
